# KiCad board reform2-keyboard.kicad_pcb (continued)
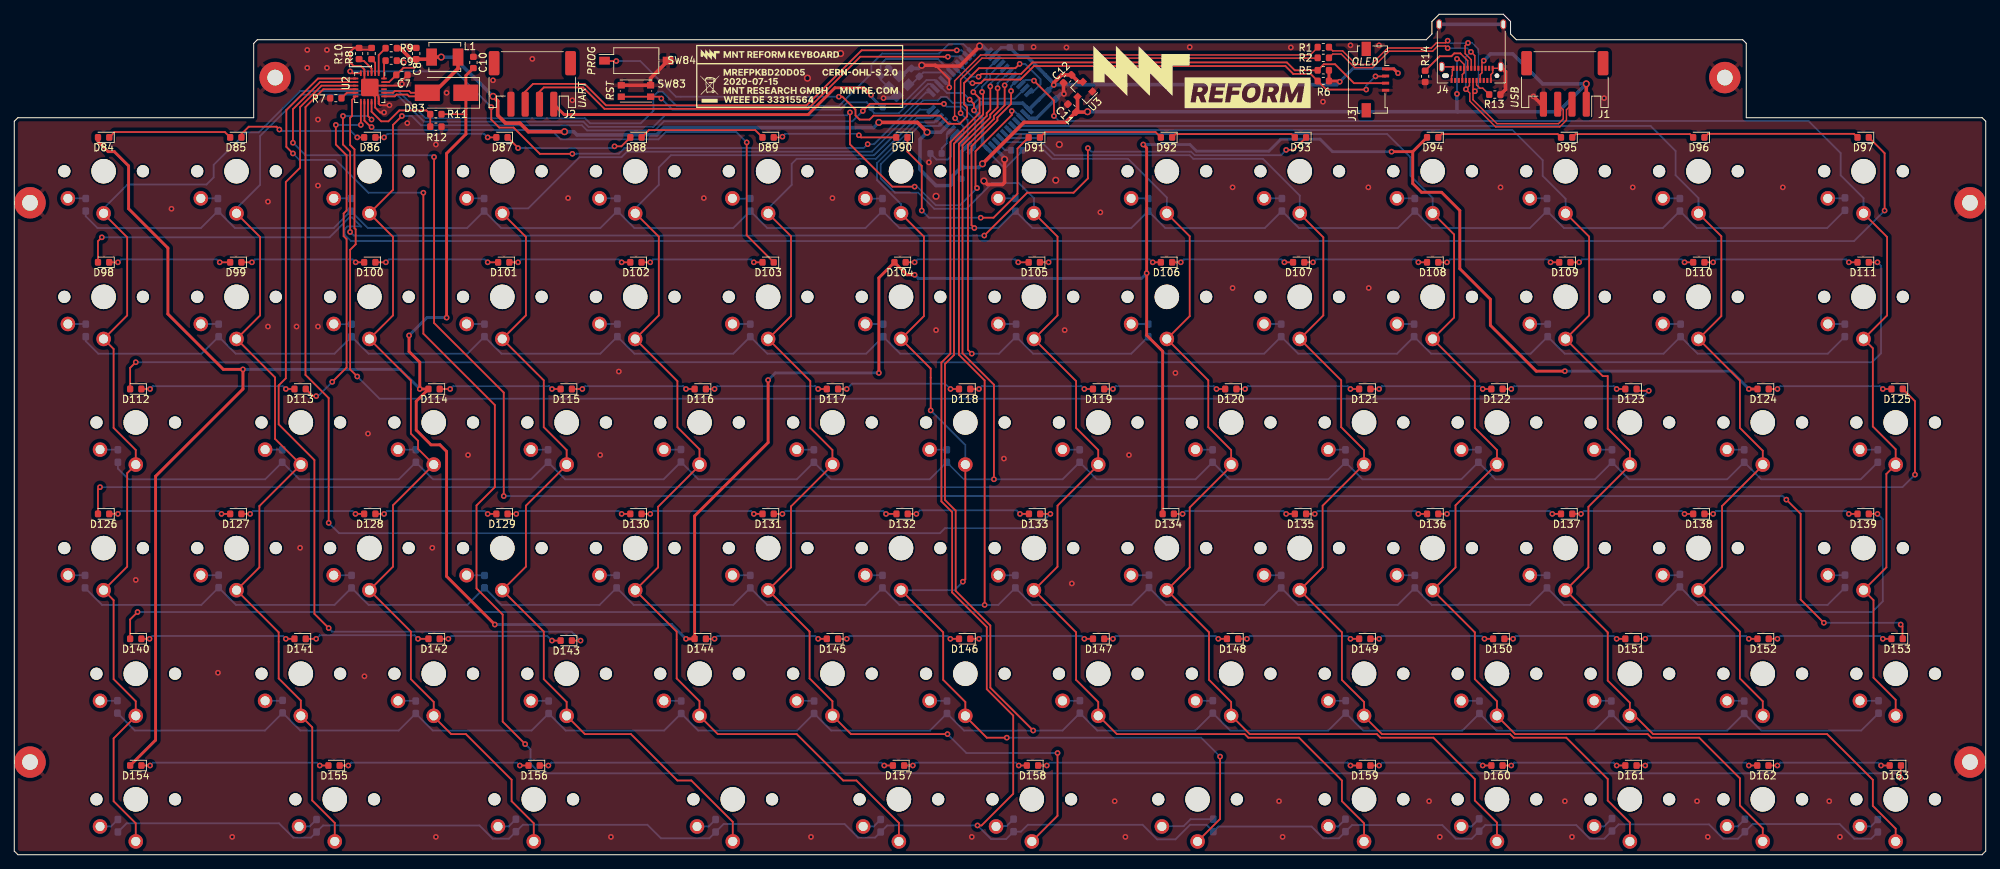
[diagram p0: board, top side]
## Nets
+3V3: C5.1 C6.1 C12.1 J2.1 J3.1 R3.1 R4.2 R5.1 R6.1 U1.14 U1.24 U1.34 U1.44 U3.2
+5V: C4.1 C7.1 C8.1 C11.1 J1.1 J4.A4 J4.A9 J4.B4 J4.B9 L1.1 R9.1 U1.2 U1.7 U2.23 U3.3
GND: C1.2 C2.2 C3.2 C4.2 C5.2 C6.2 C7.2 C8.2 C9.2 C10.2 C11.2 C12.2 H1.1 H2.1 H3.1 H4.1 H5.1 H6.1 J1.4 J2.4 J3.4 J4.A1 J4.A12 J4.B1 J4.B12 J4.S1 R7.2 R8.2 R10.2 R12.2 R13.1 R14.2 SW83.2 SW84.2 U1.5 U1.15 U1.23 U1.35 U1.43 U2.5 U2.17 U2.18 U2.22 U2.25 U3.1 Y1.2 Y1.4
/Reform KBD MCU/UD+: R1.1 U1.4
/Reform KBD MCU/UD-: R2.1 U1.3
COL1: SW1.1 SW2.1 SW3.1 SW4.1 SW5.1 SW6.1 U1.22
COL2: SW7.1 SW8.1 SW9.1 SW10.1 SW11.1 SW12.1 U1.36
COL3: SW13.1 SW14.1 SW15.1 SW16.1 SW17.1 SW18.1 U1.1
COL4: SW19.1 SW20.1 SW21.1 SW22.1 SW23.1 SW24.1 U1.32
COL5: SW25.1 SW26.1 SW27.1 SW28.1 SW29.1 SW30.1 U1.11
COL6: SW31.1 SW32.1 SW33.1 SW34.1 SW35.1 SW36.1 U1.10
COL7: SW37.1 SW38.1 SW39.1 SW40.1 SW41.1 SW42.1 U1.9
COL8: SW43.1 SW44.1 SW45.1 SW46.1 SW47.1 SW48.1 U1.8
COL9: SW49.1 SW50.1 SW51.1 SW52.1 SW53.1 SW54.1 U1.41
COL10: SW55.1 SW56.1 SW57.1 SW58.1 SW59.1 SW60.1 U1.40
COL11: SW61.1 SW62.1 SW63.1 SW64.1 SW65.1 SW66.1 U1.39
COL12: SW67.1 SW68.1 SW69.1 SW70.1 SW71.1 SW72.1 U1.38
COL13: SW73.1 SW74.1 SW75.1 SW76.1 SW77.1 U1.37
COL14: SW78.1 SW79.1 SW80.1 SW81.1 SW82.1 U1.31
D+: J1.3 J4.A6 J4.B6 R1.2
D-: J1.2 J4.A7 J4.B7 R2.2
DISP_SCL: J3.2 R6.2 U1.18
DISP_SDA: J3.3 R5.2 U1.19
PROG: SW84.1 U1.33
PWM: U1.12 U2.6
RESET: R3.2 SW83.1 U1.13
ROW1: D1.1 D7.1 D13.1 D19.1 D25.1 D31.1 D37.1 D43.1 D49.1 D55.1 D61.1 D67.1 D73.1 D78.1 U1.30
ROW2: D2.1 D8.1 D14.1 D20.1 D26.1 D32.1 D38.1 D44.1 D50.1 D56.1 D62.1 D68.1 D74.1 D79.1 U1.29
ROW3: D3.1 D9.1 D15.1 D21.1 D27.1 D33.1 D39.1 D45.1 D51.1 D57.1 D63.1 D69.1 D75.1 D80.1 U1.28
ROW4: D4.1 D10.1 D16.1 D22.1 D28.1 D34.1 D40.1 D46.1 D52.1 D58.1 D64.1 D70.1 D76.1 D81.1 U1.27
ROW5: D5.1 D11.1 D17.1 D23.1 D29.1 D35.1 D41.1 D47.1 D53.1 D59.1 D65.1 D71.1 D77.1 D82.1 U1.26
ROW6: D6.1 D12.1 D18.1 D24.1 D30.1 D36.1 D42.1 D48.1 D54.1 D60.1 D66.1 D72.1 U1.25
UART_RX: J2.2 U1.20
UART_TX: J2.3 U1.21
Net-(C1-Pad1): C1.1 U1.17 Y1.1
Net-(C2-Pad1): C2.1 U1.16 Y1.3
Net-(C3-Pad1): C3.1 U1.6
Net-(C9-Pad1): C9.1 U2.24
Net-(C10-Pad1): C10.1 D83.1 D84.2 D94.2 D104.2 D114.2 D124.2 D134.2 D144.2 D154.2 R11.1
Net-(D1-Pad2): D1.2 SW1.2
Net-(D2-Pad2): D2.2 SW2.2
Net-(D3-Pad2): D3.2 SW3.2
Net-(D4-Pad2): D4.2 SW4.2
Net-(D5-Pad2): D5.2 SW5.2
Net-(D6-Pad2): D6.2 SW6.2
Net-(D7-Pad2): D7.2 SW7.2
Net-(D8-Pad2): D8.2 SW8.2
Net-(D9-Pad2): D9.2 SW9.2
Net-(D10-Pad2): D10.2 SW10.2
Net-(D11-Pad2): D11.2 SW11.2
Net-(D12-Pad2): D12.2 SW12.2
Net-(D13-Pad2): D13.2 SW13.2
Net-(D14-Pad2): D14.2 SW14.2
Net-(D15-Pad2): D15.2 SW15.2
Net-(D16-Pad2): D16.2 SW16.2
Net-(D17-Pad2): D17.2 SW17.2
Net-(D18-Pad2): D18.2 SW18.2
Net-(D19-Pad2): D19.2 SW19.2
Net-(D20-Pad2): D20.2 SW20.2
Net-(D21-Pad2): D21.2 SW21.2
Net-(D22-Pad2): D22.2 SW22.2
Net-(D23-Pad2): D23.2 SW23.2
Net-(D24-Pad2): D24.2 SW24.2
Net-(D25-Pad2): D25.2 SW25.2
Net-(D26-Pad2): D26.2 SW26.2
Net-(D27-Pad2): D27.2 SW27.2
Net-(D28-Pad2): D28.2 SW28.2
Net-(D29-Pad2): D29.2 SW29.2
Net-(D30-Pad2): D30.2 SW30.2
Net-(D31-Pad2): D31.2 SW31.2
Net-(D32-Pad2): D32.2 SW32.2
Net-(D33-Pad2): D33.2 SW33.2
Net-(D34-Pad2): D34.2 SW34.2
Net-(D35-Pad2): D35.2 SW35.2
Net-(D36-Pad2): D36.2 SW36.2
Net-(D37-Pad2): D37.2 SW37.2
Net-(D38-Pad2): D38.2 SW38.2
Net-(D39-Pad2): D39.2 SW39.2
Net-(D40-Pad2): D40.2 SW40.2
Net-(D41-Pad2): D41.2 SW41.2
Net-(D42-Pad2): D42.2 SW42.2
Net-(D43-Pad2): D43.2 SW43.2
Net-(D44-Pad2): D44.2 SW44.2
Net-(D45-Pad2): D45.2 SW45.2
Net-(D46-Pad2): D46.2 SW46.2
Net-(D47-Pad2): D47.2 SW47.2
Net-(D48-Pad2): D48.2 SW48.2
Net-(D49-Pad2): D49.2 SW49.2
Net-(D50-Pad2): D50.2 SW50.2
Net-(D51-Pad2): D51.2 SW51.2
Net-(D52-Pad2): D52.2 SW52.2
Net-(D53-Pad2): D53.2 SW53.2
Net-(D54-Pad2): D54.2 SW54.2
Net-(D55-Pad2): D55.2 SW55.2
Net-(D56-Pad2): D56.2 SW56.2
Net-(D57-Pad2): D57.2 SW57.2
Net-(D58-Pad2): D58.2 SW58.2
Net-(D59-Pad2): D59.2 SW59.2
Net-(D60-Pad2): D60.2 SW60.2
Net-(D61-Pad2): D61.2 SW61.2
Net-(D62-Pad2): D62.2 SW62.2
Net-(D63-Pad2): D63.2 SW63.2
Net-(D64-Pad2): D64.2 SW64.2
Net-(D65-Pad2): D65.2 SW65.2
Net-(D66-Pad2): D66.2 SW66.2
Net-(D67-Pad2): D67.2 SW67.2
Net-(D68-Pad2): D68.2 SW68.2
Net-(D69-Pad2): D69.2 SW69.2
Net-(D70-Pad2): D70.2 SW70.2
Net-(D71-Pad2): D71.2 SW71.2
Net-(D72-Pad2): D72.2 SW72.2
Net-(D73-Pad2): D73.2 SW73.2
Net-(D74-Pad2): D74.2 SW74.2
Net-(D75-Pad2): D75.2 SW75.2
Net-(D76-Pad2): D76.2 SW76.2
Net-(D77-Pad2): D77.2 SW77.2
Net-(D78-Pad2): D78.2 SW78.2
Net-(D79-Pad2): D79.2 SW79.2
Net-(D80-Pad2): D80.2 SW80.2
Net-(D81-Pad2): D81.2 SW81.2
Net-(D82-Pad2): D82.2 SW82.2
Net-(D83-Pad2): D83.2 L1.2 U2.19 U2.20
Net-(D84-Pad1): D84.1 D85.2
Net-(D85-Pad1): D85.1 D86.2
Net-(D86-Pad1): D86.1 D87.2
Net-(D87-Pad1): D87.1 D88.2
Net-(D88-Pad1): D88.1 D89.2
Net-(D89-Pad1): D89.1 D90.2
Net-(D90-Pad1): D90.1 D91.2
Net-(D91-Pad1): D91.1 D92.2
Net-(D92-Pad1): D92.1 D93.2
Net-(D93-Pad1): D93.1 U2.15
Net-(D94-Pad1): D94.1 D95.2
Net-(D95-Pad1): D95.1 D96.2
Net-(D96-Pad1): D96.1 D97.2
Net-(D97-Pad1): D97.1 D98.2
Net-(D98-Pad1): D98.1 D99.2
Net-(D100-Pad1): D100.1 D101.2
Net-(D100-Pad2): D99.1 D100.2
Net-(D101-Pad1): D101.1 D102.2
Net-(D102-Pad1): D102.1 D103.2
Net-(D103-Pad1): D103.1 U2.14
Net-(D104-Pad1): D104.1 D105.2
Net-(D105-Pad1): D105.1 D106.2
Net-(D106-Pad1): D106.1 D107.2
Net-(D107-Pad1): D107.1 D108.2
Net-(D108-Pad1): D108.1 D109.2
Net-(D109-Pad1): D109.1 D110.2
Net-(D110-Pad1): D110.1 D111.2
Net-(D111-Pad1): D111.1 D112.2
Net-(D112-Pad1): D112.1 D113.2
Net-(D113-Pad1): D113.1 U2.13
Net-(D114-Pad1): D114.1 D115.2
Net-(D115-Pad1): D115.1 D116.2
Net-(D116-Pad1): D116.1 D117.2
Net-(D117-Pad1): D117.1 D118.2
Net-(D118-Pad1): D118.1 D119.2
Net-(D119-Pad1): D119.1 D120.2
Net-(D120-Pad1): D120.1 D121.2
Net-(D121-Pad1): D121.1 D122.2
Net-(D122-Pad1): D122.1 D123.2
Net-(D123-Pad1): D123.1 U2.12
Net-(D124-Pad1): D124.1 D125.2
Net-(D125-Pad1): D125.1 D126.2
Net-(D126-Pad1): D126.1 D127.2
Net-(D127-Pad1): D127.1 D128.2
Net-(D128-Pad1): D128.1 D129.2
Net-(D129-Pad1): D129.1 D130.2
Net-(D130-Pad1): D130.1 D131.2
Net-(D131-Pad1): D131.1 D132.2
Net-(D132-Pad1): D132.1 D133.2
Net-(D133-Pad1): D133.1 U2.10
Net-(D134-Pad1): D134.1 D135.2
Net-(D135-Pad1): D135.1 D136.2
Net-(D136-Pad1): D136.1 D137.2
Net-(D137-Pad1): D137.1 D138.2
Net-(D138-Pad1): D138.1 D139.2
Net-(D139-Pad1): D139.1 D140.2
Net-(D140-Pad1): D140.1 D141.2
Net-(D141-Pad1): D141.1 D142.2
Net-(D142-Pad1): D142.1 D143.2
Net-(D143-Pad1): D143.1 U2.9
Net-(D144-Pad1): D144.1 D145.2
Net-(D145-Pad1): D145.1 D146.2
Net-(D146-Pad1): D146.1 D147.2
Net-(D147-Pad1): D147.1 D148.2
Net-(D148-Pad1): D148.1 D149.2
Net-(D149-Pad1): D149.1 D150.2
Net-(D150-Pad1): D150.1 D151.2
Net-(D151-Pad1): D151.1 D152.2
Net-(D152-Pad1): D152.1 D153.2
Net-(D153-Pad1): D153.1 U2.8
Net-(D154-Pad1): D154.1 D155.2
Net-(D155-Pad1): D155.1 D156.2
Net-(D156-Pad1): D156.1 D157.2
Net-(D157-Pad1): D157.1 D158.2
Net-(D158-Pad1): D158.1 D159.2
Net-(D159-Pad1): D159.1 D160.2
Net-(D160-Pad1): D160.1 D161.2
Net-(D161-Pad1): D161.1 D162.2
Net-(D162-Pad1): D162.1 D163.2
Net-(D163-Pad1): D163.1 U2.7
Net-(J4-PadA5): J4.A5 R13.2
Net-(J4-PadA8): J4.A8
Net-(J4-PadB5): J4.B5 R14.1
Net-(J4-PadB8): J4.B8
Net-(R4-Pad1): R4.1 U1.42
Net-(R7-Pad1): R7.1 U2.11
Net-(R8-Pad1): R8.1 U2.2
Net-(R9-Pad2): R9.2 U2.1
Net-(R10-Pad1): R10.1 U2.3
Net-(R11-Pad2): R11.2 R12.1 U2.16
Net-(U2-Pad4): U2.4
Net-(U2-Pad21): U2.21

Pads without a net: J1 MP; J2 MP; J3 MP; J4 A2 A3 A10 A11 B2 B3 B10 B11

## Via types
v1: diameter 0.8, hole 0.4, Top to Bottom, 308 vias
v2: diameter 1, hole 0.6, Top to Bottom, 17 vias

## Routing (per net, layer and track width the routed paths; a pad name or vN(x,y) marks a point on that pad's centre or on a via; arc(x,y) is an arc through that point)
+3V3: length 165.6
  Top w0.25: v1(133.7,105.8) 134.31,105.19 v1(134.31,104.29)
  Top w0.4: J2.1 76.95,103.7 111.1,103.7 114.85,107.45 118.9,107.45 v1(119.9,106.45) ; R5.1 R6.1 185.4,108.4 v1(185.5,108.3) ; J3.1 193.05,110.1 v1(193.65,109.5)
  Top w0.5: v1(145.47,107.85) 145.47,108.15 146.58,109.26 C12.1 148.93,108.28 U3.2
  Bottom w0.25: v1(133.7,105.8) 132.77,106.72 130.53,106.72 129.42,107.83 U1.14 128.82,108.53 127.66,108.53 123.88,104.75 R3.1 ; 141.18,98.7 138.85,96.37 138.4,96.37 136.95,97.82 136.95,98.14 U1.44
  Bottom w0.4: v1(193.65,109.5) 193,110.15 187.35,110.15 v1(185.5,108.3) ; C5.1 138.12,113.1 U1.24 ; R3.1 121.39,104.75 119.9,106.24 v1(119.9,106.45)
  Bottom w0.5: v1(185.5,108.3) 185.1,107.9 145.62,107.9 144.3,109.22 ; C5.1 140.61,111.8 141.75,111.8 144.3,109.25 144.3,109.22 ; 144.3,109.22 145.47,108.06 v1(145.47,107.85) 143.41,105.79 143.4,105.79 U1.34 141.12,105.29 135.32,105.29 v1(134.31,104.29) 135.5,103.1 135.5,99.59 U1.44
+5V: length 236.9
  Top w0.2: v1(205.65,111.25) 205.4,111 J4.B9 205.4,109.55 205.15,109.3 J4.A4 ; v1(201.9,111.5) 202.13,111.5 202.9,110.73 J4.B4 202.9,109.55 202.65,109.3 J4.A9
  Top w0.25: C8.1 56.25,110.5 56,110.25 54.46,110.25 C7.1 52.46,108.25 U2.23
  Top w0.5: v2(121,102.6) 126.38,102.6 v2(127.75,101.22) ; v2(135.5,96.8) 141.3,102.6 147.11,102.6 C11.1 ; R9.1 54,113 55.54,111.46 C8.1 58.11,111.46 L1.1 v2(59.75,111.75) ; U3.3 148.8,106.19 148.8,104.29 C11.1 ; v2(67,106.25) 67.65,105.6 67.65,103.6 68.75,102.5 70.75,102.5 71.95,101.3 v2(77,101.3) ; v2(220,108) J1.1 ; C11.1 150.14,104.04 v2(150.2,104.1)
  Bottom w0.25: v1(201.9,111.5) v1(201.9,106.6)
  Bottom w0.5: v2(150.2,104.1) 202,104.1 ; 202,104.1 201.9,104.2 v1(201.9,106.6) ; 202,104.1 216.1,104.1 v2(220,108) 213.9,108 209.7,112.2 206.6,112.2 v1(205.65,111.25) ; C4.1 134.99,96.29 v2(135.5,96.8) ; C4.1 132.5,98.42 U1.2 ; C4.1 131.25,95.04 131.25,94 131,93.75 129,93.75 126.75,96 126.75,100.22 v2(127.75,101.22) 129.64,101.22 U1.7 ; v2(59.75,111.75) 61.5,111.75 v2(67,106.25) ; v2(121,102.6) 120.28,101.88 90.92,101.88 89.9,100.85 78.75,100.85 78.3,101.3 v2(77,101.3)
GND: length 107.5
  Top w0.2: J4.S1 207.82,110.18 J4.B12 206.9,109.55 206.65,109.3 J4.A1 ; J4.S1 201.19,110.39 J4.B1 201.25,110.03 201.25,109.18 201.22,109.18 201.15,109.11 J4.A12
  Top w0.25: U2.25 49,108.25 U2.5 49,110 48.5,110.5 47.5,110.5 47,111 47,112.5 47.54,113.04 R10.2 ; U2.25 50,107.75 U2.22 54,107.75 v1(54.25,108) 54.25,108.46 C7.2 ; U2.25 50.97,106.28 50.97,106.03 51,106 U2.18 51,105.2 51.2,105 v1(52.5,105) ; U2.25 49.75,106.95 50.5,106.2 U2.17 50.5,104.68 51.18,104 v1(51.75,104) ; v1(55.26,113.01) 55.29,113.04 C8.2 ; v1(130.85,107.5) 130.85,108.65 129,110.5 ; C9.2 54.28,111.25 v1(54.5,111.03) ; 48.25,112.79 49.75,112.79 R8.2
  Top w0.5: R13.1 208.7,107.21 208.7,109.72 J4.S1 ; v1(146.9,106.6) 146.84,106.66 C12.2 ; v2(135.7,94.4) 136.2,93.9 138.3,93.9 138.59,94.19 v2(138.59,97.42) ; v2(135.1,113.3) 132.3,110.5 129,110.5 128.9,110.6 v2(127,110.6) ; v1(212.6,106.25) 213.7,105.15 J1.4 ; SW84.2 89.05,108.8 SW83.2 SW83.2
  Bottom w0.25: v1(130.85,107.5) 130.85,107.64 U1.15 ; v1(128,97) 128.21,97.21 C3.2 129.06,97.4 130.65,97.4 131.08,97.83 131.08,100.4 U1.5
  Bottom w0.5: J4.S1 J4.S1 ; v1(146.9,106.6) 146.46,106.6 C6.2 143.04,103.17 142.1,103.17 U1.35 ; Y1.4 123.2,106 v1(121.65,106) ; U1.43 138.59,97.63 v2(138.59,97.42) ; U1.23 135.51,113.3 v2(135.1,113.3) ; v2(127,110.6) 126.56,110.16 C2.2 ; 125.5,110.16 125.26,110.16 124.18,109.08 Y1.2 123.53,109.08 C1.2
  vias: v1(17,38.5) v1(22,90.5) v1(28.5,25.5) v1(30.5,2.5) v1(35.5,91.5) v1(35.5,74) v1(39.5,74) v1(40,43) v1(41,112.75) v1(41,110.25) v1(42.5,103) v1(42.5,93.75) v1(42.5,74) v1(43.75,112.75) v1(43.75,110.25) v1(49,25) v1(49.5,59) v1(55,102.5) v1(58.5,43) v1(59,99.5) v1(59,2.5) v1(60.5,106.75) v1(63.5,56) v1(67,108.5) v1(72.5,111.5) v1(77.5,92) v1(78.1,105.7) v1(82,56) v1(83.5,2.5) v1(84.6,67.7) v1(96.5,92) v1(111.5,2.5) v1(114.5,92) v1(129,73.5) v1(134,2.5) v1(138.5,55.5) v1(142.65,113.15) v1(147,73.5) v1(147.25,113.1) v1(148,38) v1(152,90) v1(154,7.5) v1(155.5,2.5) v1(156,56) v1(162.5,67.5) v1(164.5,113.15) v1(170.5,93.5) v1(170.5,79.4) v1(177,7.5) v1(177.5,2.5) v1(178.65,113.1) v1(183.15,105.5) v1(187,113.4) v1(189.5,93.5) v1(189.55,79.4) v1(191,113.4) v1(198,7.5) v1(199.5,2.5) v1(208,93.5) v1(217,7.5) v1(218,2.5) v1(222.5,106) v1(226.5,93.5) v1(235.5,7.5) v1(237,2.5) v1(247.5,93.5) v1(254,7.5) v1(255.5,2.5) v2(111,108.8) v2(115.65,112.25) v2(129,92.25) v2(145.75,94.5) v2(146.25,99.5)
/Reform KBD MCU/UD+: length 61.5
  Top w0.2: 182.41,113.1 181.36,112.05 135.23,112.05 131.6,108.42 131.6,103.25 v1(131.68,103.18)
  Bottom w0.25: U1.4 132.85,101.04 132.85,102 v1(131.68,103.18)
/Reform KBD MCU/UD-: length 60.6
  Top w0.2: v1(132.44,103.9) 132.44,108.62 135.42,111.6 182.36,111.6 R2.1
  Bottom w0.25: v1(132.44,103.9) 133.42,102.92 133.42,100.47 U1.3
COL1: length 239.4
  Top w0.25: 12.5,90.55 12.5,89.8 15.8,86.5 15.8,75.56 SW2.1 13.9,70.86 13.9,59.8 17,56.7 SW3.1 15.8,53.46 15.8,40.36 SW4.1 13.9,35.66 13.9,24.6 17,21.5 17,19.4 13.9,16.3 13.9,7.5 17,4.4 SW6.1
  Bottom w0.25: 12.5,90.55 15.85,93.9 26.9,93.9 27.9,94.9 27.9,96.65 32.45,101.2 34.2,101.2 40,107 53.75,107 57.55,103.2 79.85,103.2 80.58,102.48 87.68,102.48 89.45,104.25 89.45,106.25 90.1,106.9 90.7,106.9 92.7,104.9 115.4,104.9 119.95,109.45 119.95,110.75 121.45,112.25 129.45,112.25 130.8,113.6 132.81,113.6 U1.22
COL2: length 245.2
  Top w0.25: v1(126,93.6) 122.88,93.6 116.95,99.53 v1(116.95,104) ; SW12.1 44.85,4.45 41.7,7.6 41.7,17.85 40.1,19.45 40.1,21.6 37,24.7 37,31.16 SW10.1 34.3,40.26 34.3,48.85 40.1,54.65 ; v1(139.6,104.2) 139.6,103.63 134.52,98.56 134.52,93.61 v1(134.74,93.4) ; SW9.1 36.49,58.27 36.49,66.87 SW8.1 34.4,75.56 34.4,86.55 31.1,89.85 31.1,90.55
  Bottom w0.25: v1(139.6,104.2) 139.94,104.2 U1.36 ; 31.1,90.55 34.4,93.85 34.4,100.69 40.21,106.5 53.54,106.5 57.34,102.7 79.64,102.7 80.37,101.97 89.43,101.97 91.06,103.6 116.55,103.6 v1(116.95,104) ; v1(126,93.6) 126.36,93.6 128.96,91 132.34,91 v1(134.74,93.4)
COL3: length 212.6
  Top w0.25: v1(118.75,104.2) 119.75,105.2 v1(130.1,105.2) ; SW18.1 72.7,4.4 69.6,7.5 69.6,10.5 63.2,16.9 61.15,16.9 58.7,19.35 58.7,21.4 55.5,24.6 55.5,31.26 SW16.1 53,40.36 53,48.96 SW15.1 56.5,56.86 56.5,58 55.5,59 55.5,66.46 SW14.1 53,75.56 53,86.56 SW13.1 53,93.16 53,102.25 v1(54.25,103.5)
  Bottom w0.25: v1(118.75,104.2) 117.3,102.75 90.91,102.75 89.64,101.47 80.16,101.47 79.44,102.2 56.93,102.2 55.62,103.5 v1(54.25,103.5) ; 134.17,98.74 U1.1 134.48,99.28 134.48,102.96 132.65,104.8 130.5,104.8 v1(130.1,105.2)
COL4: length 197.8
  Top w0.25: SW24.1 100.55,4.6 94.75,10.4 92.8,10.4 86.3,16.9 79.85,16.9 77.3,19.45 77.3,21.4 74.1,24.6 74.1,31.26 SW22.1 71.6,40.36 71.6,48.9 77.3,54.6 77.3,56.7 74.1,59.9 74.1,66.46 SW20.1 71.6,75.56 71.6,86.56 SW19.1
  Bottom w0.25: SW19.1 68.99,90.55 71.92,90.55 79.09,97.72 84.97,97.72 85.75,98.5 120,98.5 127.18,105.68 129.23,105.68 129.73,106.18 130.47,106.18 131.3,105.35 133,105.35 133.33,105.02 134.07,105.02 134.98,105.93 140,105.93 U1.32
COL5: length 170.3
  Top w0.25: 86.9,90.55 86.9,89.9 90.2,86.6 90.2,75.56 SW26.1 92.8,66.36 92.8,59.9 95.9,56.8 95.9,54.55 90.1,48.75 90.1,40.26 SW28.1 92.7,31.26 92.7,24.7 95.9,21.5 95.9,19.45 98.45,16.9 109.5,16.9 116,10.4 117.85,10.4 123.8,4.45 SW30.1
  Bottom w0.25: 86.9,90.55 90.2,93.85 90.2,96.3 91.9,98 120.31,98 126.71,104.4 U1.11
COL6: length 163
  Top w0.25: 105.5,90.55 105.5,89.85 108.7,86.65 108.7,75.46 SW32.1 111.4,66.36 111.4,59.8 114.5,56.7 114.5,54.6 108.7,48.8 108.7,40.26 SW34.1 111.3,31.26 111.3,24.7 114.5,21.5 114.5,19.5 117.1,16.9 v1(130.6,16.9) ; SW36.1 146,5.46 v1(146,14.25)
  Bottom w0.25: v1(130.6,16.9) 133.25,14.25 v1(146,14.25) ; 105.5,90.55 108.8,93.85 108.8,96.8 109.5,97.5 120.61,97.5 126.34,103.23 128.26,103.23 U1.10
COL7: length 159.9
  Top w0.25: v1(132.75,38.25) 133.1,38.6 SW39.1 ; 124.1,90.55 124.1,89.8 127.3,86.6 127.3,75.46 SW38.1 128.25,68.11 v1(128.25,62.25) ; v1(138.9,16.4) 136.1,16.4 133.1,19.4 133.1,21.4 130,24.5 130,31.16 SW40.1 ; SW42.1 168.75,5.01 v1(168.75,13.75)
  Bottom w0.25: 123.79,37.06 SW40.1 131.56,37.06 v1(132.75,38.25) ; v1(168.75,13.75) 166.1,16.4 v1(138.9,16.4) ; U1.9 128.76,102.6 126.41,102.6 120.75,96.94 120.75,94.5 124.1,91.15 124.1,90.55 ; SW39.1 133.1,57.4 v1(128.25,62.25)
COL8: length 172.9
  Top w0.25: SW48.1 188.9,4.4 185.8,7.5 185.8,10.4 179.8,16.4 172.69,16.4 172.19,16.9 154.3,16.9 151.7,19.5 151.7,21.4 148.6,24.5 148.6,31.16 SW46.1 146,40.36 146,48.9 151.7,54.6 151.7,56.7 148.6,59.8 148.6,66.36 SW44.1 146,75.56 146,86.6 142.7,89.9 142.7,90.55
  Bottom w0.25: 142.7,90.55 142.7,91.99 140.59,94.1 136.85,94.1 133.25,90.5 128.75,90.5 126.5,92.75 123.25,92.75 121.25,94.75 121.25,96.73 126.62,102.1 129.39,102.1 U1.8
COL9: length 160.9
  Top w0.25: 161.3,90.55 161.3,89.85 164.5,86.65 164.5,75.46 SW50.1 167.1,66.46 167.1,59.9 170.3,56.7 170.3,54.45 164.5,48.65 164.5,40.26 SW52.1 167.2,31.16 167.2,24.5 170.3,21.4 170.3,19.5 172.9,16.9 190.69,16.9 191.19,16.4 198.6,16.4 204.4,10.6 204.4,7.6 207.5,4.5 SW54.1
  Bottom w0.25: U1.41 138.65,99.84 142.96,99.84 145.3,97.5 155.87,97.5 161.3,92.07 161.3,90.55
COL10: length 179.5
  Top w0.25: SW60.1 226.1,4.5 223,7.6 223,10.6 217.2,16.4 209.84,16.4 209.34,16.9 191.4,16.9 188.9,19.4 188.9,21.4 185.8,24.5 185.8,31.16 SW58.1 183.1,40.26 183.1,48.9 188.9,54.7 188.9,56.7 185.7,59.9 185.7,66.46 SW56.1 183.2,75.56 183.2,86.5 179.9,89.8 179.9,90.55
  Bottom w0.25: 179.9,90.55 179.9,92.35 174.75,97.5 165,97.5 164.5,98 145.6,98 143.2,100.4 139.22,100.4 U1.40
COL11: length 198.8
  Top w0.25: 198.5,90.55 198.5,89.9 201.5,86.9 201.5,75.26 SW62.1 204.4,66.36 204.4,59.8 207.5,56.7 207.5,54.75 201.7,48.95 201.7,40.26 SW64.1 204.4,31.16 204.4,24.6 207.5,21.5 207.5,19.45 210.05,16.9 228.6,16.9 229.1,16.4 235.8,16.4 241.5,10.7 241.5,6.9 244.7,3.7 SW66.1
  Bottom w0.25: U1.39 139.78,100.97 192.13,100.97 195.4,97.7 195.4,95.1 198.5,92 198.5,90.55
COL12: length 217.3
  Top w0.25: 217.1,90.55 217.1,89.9 220.4,86.6 220.4,75.56 SW68.1 222.31,67.05 223,67.05 223,59.7 226.1,56.6 226.1,54.55 220.3,48.75 220.3,40.26 SW70.1 223,31.16 223,24.4 226.1,21.3 SW71.1 226.79,19.46 229.35,16.9 253.7,16.9 260.1,10.5 260.1,6.85 263.3,3.65 SW72.1
  Bottom w0.25: U1.38 140.35,101.53 209.67,101.53 213.9,97.3 213.9,95.1 217.1,91.9 217.1,90.55
COL13: length 188.2
  Top w0.25: 235.7,90.55 235.7,89.85 238.9,86.65 238.9,75.46 SW74.1 241.5,66.46 241.5,59.8 244.7,56.6 244.7,54.55 239,48.85 239,40.36 SW76.1 241.5,31.26 241.5,24.7 244.7,21.5 SW77.1
  Bottom w0.25: 235.7,90.55 235.7,92 232.5,95.2 232.5,98.6 229,102.1 140.91,102.1 U1.37
COL14: length 209
  Top w0.25: 258.8,90.55 258.8,89.85 262.1,86.55 262.1,75.56 SW79.1 260.1,70.96 260.1,60 263.3,56.8 263.3,54.65 262,53.35 262,40.26 SW81.1 260.2,35.66 260.2,24.8 263.3,21.7 SW82.1 ; v1(145.5,103.5) 145.5,105.65 v1(142.7,108.45)
  Bottom w0.25: U1.31 141.48,108.53 142.62,108.53 v1(142.7,108.45) ; v1(145.5,103.5) 146.2,102.8 251.1,102.8 255.6,98.3 255.6,95.19 258.8,91.99 258.8,90.55
D+: length 53.6
  Top w0.2: J4.A6 204.15,107.23 v1(204.41,106.96) 204.15,106.7 204.15,105.77 207.49,102.42 216.11,102.42 216.78,103.09 216.78,104.38 J1.3 ; v1(203.45,113.74) 203.05,113.34 203.05,112.24 203.9,111.39 J4.B6 ; v1(200.6,114.05) 200.3,113.75 199.03,113.75 198.31,113.03 192.21,113.03 189.91,110.72 187.79,110.72 185.89,112.62 184.51,112.62 R1.2
  Bottom w0.2: v1(200.6,114.05) 200.95,113.7 203.41,113.7 v1(203.45,113.74) 204.01,113.74 204.9,112.86 204.9,107.45 v1(204.41,106.96)
D-: length 51.8
  Top w0.2: J4.A7 203.65,107.75 v1(203.15,107.25) 203.7,106.7 203.7,105.58 207.31,101.97 216.29,101.97 217.22,102.91 217.22,104.38 J1.2 ; v1(203.86,112.49) 204.4,111.95 J4.B7 ; v1(200.6,113) 200.3,113.3 199.22,113.3 198.49,112.58 192.39,112.58 190.09,110.28 187.61,110.28 185.71,112.17 184.51,112.17 R2.2
  Bottom w0.2: v1(203.15,107.25) 203.15,111.79 v1(203.86,112.49) 203.35,113 v1(200.6,113)
DISP_SCL: length 64.6
  Top w0.25: J3.2 191.86,109.05 v1(190.5,109.05) ; v1(134.1,108.1) 135.25,108.1 135.75,108.6 140.81,108.6 142.71,110.5 177.89,110.5 178.99,109.4 ; 178.99,109.4 181.41,109.4 R6.2 183.61,107.2 v1(189.2,107.2) ; 178.99,109.4 179.01,109.4
  Bottom w0.25: v1(189.2,107.2) 189.2,107.75 v1(190.5,109.05) ; v1(134.1,108.1) 133.78,108.1 U1.18
DISP_SDA: length 63.1
  Top w0.25: J3.3 187.49,108.1 184.84,110.75 183.26,110.75 R5.2 179.2,109.9 178.1,111 142.5,111 140.9,109.4 135.35,109.4 v1(134.95,109)
  Bottom w0.25: U1.19 134.01,109 v1(134.95,109)
PROG: length 76.1
  Top w0.25: v1(115.4,106.2) 115.9,106.2 117.73,104.37 117.73,103.57 118.3,103 119.7,103 120.25,103.55 129.6,103.55 130.75,102.4 132.3,102.4 133.35,103.45 133.35,104.7 132.92,105.13 132.92,108.12 135,110.2 140.1,110.2 v1(140.7,110.8) ; SW84.1 82.65,111.2 v1(84.25,111.2)
  Bottom w0.25: v1(115.4,106.2) 92.6,106.2 87.6,111.2 v1(84.25,111.2) ; v1(140.7,110.8) 141.47,110.8 143.62,108.65 143.62,107.92 142.5,106.8 U1.33
PWM: length 92.3
  Top w0.25: v1(66.75,104.75) 66.75,103 67.88,101.87 69.88,101.87 73.55,98.2 v1(78.1,98.2) ; v1(47,109.75) 47.26,109.49 U2.6
  Bottom w0.25: v1(66.75,104.75) 61.75,109.75 v1(47,109.75) ; v1(78.1,98.2) 78.67,98.2 78.69,98.22 84.62,98.22 85.4,99 118.88,99 v1(119.43,99.55) 120.34,99.55 127.59,106.8 U1.12
RESET: length 47.9
  Top w0.25: SW83.1 SW83.1 90.3,106.2 v1(90.55,105.95)
  Bottom w0.25: v1(90.55,105.95) 92.1,104.4 115.61,104.4 116.63,105.43 119.29,105.43 R3.2 119.96,104.29 120.35,103.9 123.8,103.9 127.87,107.97 128.26,107.97 U1.13
ROW1: length 295.9
  Top w0.25: v1(134.36,87.8) 133.96,88.2 133.96,99.26 137.59,102.88 137.59,103.29 139.5,105.2 v1(139.5,107)
  Bottom w0.25: D1.1 10,89.45 11.65,87.8 26.11,87.8 D7.1 30.88,87.8 44.72,87.8 D13.1 49.48,87.8 63.36,87.8 D19.1 68.14,87.8 82.02,87.8 D25.1 86.78,87.8 100.61,87.8 D31.1 105.39,87.8 119.11,87.8 D37.1 123.88,87.8 137.72,87.8 D43.1 142.49,87.8 156.31,87.8 D49.1 161.09,87.8 175.01,87.8 D55.1 179.78,87.8 193.62,87.8 D61.1 198.38,87.8 212.12,87.8 D67.1 216.88,87.8 230.72,87.8 D73.1 235.49,87.8 253.71,87.8 D78.1 ; v1(139.5,107) 139.5,107.69 U1.30
ROW2: length 313.9
  Top w0.25: v1(138.6,107.8) 138.6,105.01 137.09,103.5 137.09,103.09 133.46,99.46 133.46,70.74 v1(134,70.2)
  Bottom w0.25: U1.29 138.6,107.92 v1(138.6,107.8) ; D2.1 10,71.95 11.75,70.2 26.21,70.2 D8.1 30.98,70.2 44.81,70.2 D14.1 49.59,70.2 63.42,70.2 D20.1 68.19,70.2 82.02,70.2 D26.1 86.78,70.2 100.61,70.2 D32.1 105.39,70.2 119.22,70.2 D38.1 123.99,70.2 v1(134,70.2) 137.81,70.2 D44.1 142.59,70.2 156.31,70.2 D50.1 161.09,70.2 174.91,70.2 D56.1 179.69,70.2 193.51,70.2 D62.1 198.28,70.2 212.22,70.2 D68.1 216.99,70.2 230.81,70.2 D74.1 235.59,70.2 253.8,70.2 D79.1
ROW3: length 334.1
  Top w0.25: v1(137.1,52.6) 137.1,65.86 132.7,70.26 132.7,99.41 136.59,103.29 136.59,103.7 137.61,104.73 v1(137.61,107.39)
  Bottom w0.25: D80.1 258.42,52.6 244.49,52.6 D75.1 239.72,52.6 225.99,52.6 D69.1 221.22,52.6 207.28,52.6 D63.1 202.51,52.6 188.69,52.6 D57.1 183.91,52.6 170.09,52.6 D51.1 165.31,52.6 151.49,52.6 D45.1 146.72,52.6 v1(137.1,52.6) 132.88,52.6 D39.1 128.12,52.6 114.28,52.6 D33.1 109.52,52.6 95.72,52.6 D27.1 90.88,52.6 77.08,52.6 D21.1 72.31,52.6 58.59,52.6 D15.1 53.81,52.6 39.88,52.6 D9.1 35.12,52.6 16,52.6 14.5,54.1 D3.1 ; v1(137.61,107.39) 137.61,108.06 U1.28
ROW4: length 351.5
  Top w0.25: v1(135.8,35) 135.8,66.45 132.2,70.05 132.2,99.61 136.09,103.5 136.09,103.91 136.59,104.42 v1(136.59,107.64)
  Bottom w0.25: v1(136.59,107.64) 136.59,108.03 138.61,110.05 U1.27 ; D81.1 253.77,35 235.62,35 D76.1 230.57,35 216.88,35 D70.1 212.12,35 198.38,35 D64.1 193.62,35 179.69,35 D58.1 174.91,35 161.22,35 D52.1 156.38,35 142.49,35 D46.1 137.72,35 v1(135.8,35) 123.88,35 D40.1 119.11,35 105.39,35 D34.1 100.61,35 86.69,35 D28.1 81.92,35 68.19,35 D22.1 63.42,35 49.59,35 D16.1 44.81,35 31.02,35 D10.1 26.18,35 12.29,35 D4.1
ROW5: length 374.2
  Top w0.25: v1(142.6,17.4) 136.6,23.4 136.6,32.11 131.75,36.96 131.75,48.21 130.25,49.71 130.25,68.75 131.51,70.01 131.51,99.63 135.59,103.71 135.59,106.72 v1(135.44,106.87)
  Bottom w0.25: U1.26 136.58,109.29 136.58,108.72 135.44,107.59 v1(135.44,106.87) ; D5.1 16.87,17.4 35.08,17.4 D11.1 40.02,17.4 53.8,17.4 D17.1 58.57,17.4 72.4,17.4 D23.1 77.17,17.4 90.95,17.4 D29.1 95.72,17.4 109.55,17.4 D35.1 114.32,17.4 128.15,17.4 D41.1 132.92,17.4 v1(142.6,17.4) 146.7,17.4 D47.1 151.57,17.4 165.3,17.4 D53.1 170.17,17.4 183.9,17.4 D59.1 188.77,17.4 202.66,17.4 D65.1 207.44,17.4 221.12,17.4 D71.1 225.88,17.4 239.72,17.4 D77.1 244.49,17.4 258.48,17.4 D82.1
ROW6: length 382.3
  Top w0.25: v1(134.21,106.85) 135.09,105.98 135.09,103.92 131,99.83 131,70.21 129.75,68.96 129.75,49.5 131.25,48 131.25,36.75 136.1,31.9 136.1,23.19 139.8,19.49 139.8,8.53 135.37,4.1 v1(134.8,4.1)
  Bottom w0.25: v1(134.21,106.85) 134.21,107.12 136.08,108.98 136.08,109.92 U1.25 ; D72.1 259.87,2.25 257.5,2.25 255.45,4.3 243.28,4.3 D66.1 241.22,2.25 239.18,2.25 237.18,4.25 224.53,4.25 D60.1 222.53,2.25 220.5,2.25 218.6,4.15 205.87,4.15 D54.1 203.97,2.25 201.75,2.25 199.85,4.15 187.22,4.15 D48.1 185.37,2.3 183.2,2.3 181.56,3.94 168.51,3.94 D42.1 166.84,4.2 164.55,4.2 162.5,2.15 159.95,2.15 157.9,4.2 141.85,4.2 140.88,3.24 D36.1 138.81,2.2 136.7,2.2 v1(134.8,4.1) 122.17,4.1 D30.1 120.47,2.4 118.1,2.4 116.2,4.3 99.27,4.3 D24.1 97.27,2.3 90.5,2.3 88.6,4.2 71.17,4.2 D18.1 69.22,2.25 66.95,2.25 65.1,4.1 43.22,4.1 D12.1 41.52,2.4 39.05,2.4 37.05,4.4 15.71,4.4 D6.1
UART_RX: length 65.8
  Top w0.25: J2.2 73.5,106.9 74.1,107.5 79.6,107.5 82.6,104.5 111.09,104.5 118.39,111.8 v1(130.65,111.8)
  Bottom w0.25: v1(130.65,111.8) 130.71,111.86 132.28,111.86 U1.20
UART_TX: length 68.9
  Top w0.25: v1(131.9,112.7) 118.58,112.7 110.88,105 82.81,105 79.81,108 72.6,108 71.5,106.9 J2.3
  Bottom w0.25: v1(131.9,112.7) 132.58,112.7 U1.21
Net-(C1-Pad1): length 14.6
  Bottom w0.25: Y1.1 121.24,108.6 C1.1 121.24,110.74 122,111.5 129.25,111.5 U1.17
Net-(C2-Pad1): length 6.4
  Bottom w0.25: U1.16 130.02,109.6 127.21,109.6 C2.1 125.49,107.88 Y1.3
Net-(C3-Pad1): length 3.9
  Bottom w0.25: U1.6 130.5,100.95 130.5,99.68 129.79,98.96 C3.1
Net-(C9-Pad1): length 2.6
  Top w0.25: U2.24 51.75,108.76 51.75,111.04 C9.1
Net-(C10-Pad1): length 530.4
  Top w0.25: R11.1 63.15,103.75 63.2,103.7
  Top w0.4: C10.1 63.2,109.16 D83.1 63.2,100.95 60.5,98.25 v1(60.5,75.25) ; D154.2 19.78,16.06 19.78,53.03 32,65.25 v1(32,68) 29.25,68 21.5,75.75 21.5,85 16,90.5 16,96.5 14,98.5 13.14,98.5 11.71,99.92 D84.2 ; v1(94,30.25) D144.2 95.21,47.46 105.5,57.75 v1(105.5,66.5) ; v1(126,81.25) 124.93,81.25 D104.2 121,80.83 v1(121,67.5) ; 195.71,98.5 D94.2 ; 195.71,98.5 v1(192.75,98.5) ; 195.71,98.5 195.71,94.04 196.94,92.81 199.75,92.81 202.3,90.26 202.3,82.1 206.58,77.83 206.58,74.17 213,67.75 v1(217,67.75) ; v1(55.25,72.75) 55.25,70.5 56.75,69 v1(56.75,65.25) D114.2 56.25,63.54 56.25,59.5 58.32,57.43 59.57,57.43 60.5,56.5 60.5,39 v1(67.25,32.25) ; v1(242.75,65.25) D124.2 ; D134.2 160.71,70.54 158.47,72.78 v1(158.47,81.47) 158.47,99.03 v1(158,99.5)
  Bottom w0.4: v1(67.25,32.25) 92,32.25 v1(94,30.25) ; v1(60.5,75.25) 57.75,75.25 v1(55.25,72.75) ; v1(192.75,98.5) 184.5,98.5 182.75,100.25 177.25,100.25 175.58,98.58 165.45,98.58 164.52,99.5 v1(158,99.5) ; v1(56.75,65.25) 54,68 v1(32,68) ; v1(158.47,81.47) 157.75,80.75 126.5,80.75 v1(126,81.25) ; v1(242.75,65.25) 240.25,67.75 v1(217,67.75) ; v1(105.5,66.5) 106.5,67.5 v1(121,67.5)
Net-(D1-Pad2): length 2.5
  Bottom w0.25: SW1.2 9.97,91.96 D1.2
Net-(D2-Pad2): length 2.5
  Bottom w0.25: D2.2 9.97,74.36 SW2.2
Net-(D3-Pad2): length 2.5
  Bottom w0.25: D3.2 14.48,56.76 SW3.2
Net-(D4-Pad2): length 2.4
  Bottom w0.25: D4.2 9.88,39.16 SW4.2
Net-(D5-Pad2): length 2.4
  Bottom w0.25: D5.2 14.41,21.56 SW5.2
Net-(D6-Pad2): length 2.9
  Bottom w0.25: D6.2 13.52,3.96 SW6.2
Net-(D7-Pad2): length 2.4
  Bottom w0.25: SW7.2 28.48,91.96 D7.2
Net-(D8-Pad2): length 2.5
  Bottom w0.25: SW8.2 28.58,74.36 D8.2
Net-(D9-Pad2): length 2.4
  Bottom w0.25: D9.2 37.48,56.76 SW9.2
Net-(D10-Pad2): length 2.5
  Bottom w0.25: D10.2 28.59,39.16 SW10.2
Net-(D11-Pad2): length 2.5
  Bottom w0.25: SW11.2 37.48,21.56 D11.2
Net-(D12-Pad2): length 2.9
  Bottom w0.25: D12.2 41.33,3.96 SW12.2
Net-(D13-Pad2): length 2.4
  Bottom w0.25: D13.2 47.08,91.96 SW13.2
Net-(D14-Pad2): length 2.5
  Bottom w0.25: SW14.2 44.73,74.34 D14.2
Net-(D15-Pad2): length 2.5
  Bottom w0.25: D15.2 56.17,56.76 SW15.2
Net-(D16-Pad2): length 2.5
  Bottom w0.25: SW16.2 47.17,39.16 D16.2
Net-(D17-Pad2): length 2.5
  Bottom w0.25: SW17.2 56.16,21.56 D17.2
Net-(D18-Pad2): length 2.9
  Bottom w0.25: SW18.2 69.19,3.96 D18.2
Net-(D19-Pad2): length 2.5
  Bottom w0.25: D19.2 65.72,91.96 SW19.2
Net-(D20-Pad2): length 2.5
  Bottom w0.25: SW20.2 65.78,74.36 D20.2
Net-(D21-Pad2): length 2.4
  Bottom w0.25: SW21.2 74.67,56.76 D21.2
Net-(D22-Pad2): length 2.5
  Bottom w0.25: SW22.2 65.78,39.16 D22.2
Net-(D23-Pad2): length 2.5
  Bottom w0.25: D23.2 74.76,21.56 SW23.2
Net-(D24-Pad2): length 3.3
  Top w0.25: 95.9,4.4 95.9,3.99
  Bottom w0.25: 95.65,3.96 97.17,3.96 D24.2
Net-(D25-Pad2): length 2.5
  Bottom w0.25: D25.2 84.38,91.96 SW25.2
Net-(D26-Pad2): length 2.5
  Bottom w0.25: SW26.2 84.38,74.36 D26.2
Net-(D27-Pad2): length 2.4
  Bottom w0.25: SW27.2 93.28,56.76 D27.2
Net-(D28-Pad2): length 2.4
  Bottom w0.25: D28.2 84.28,39.16 SW28.2
Net-(D29-Pad2): length 2.4
  Bottom w0.25: D29.2 93.31,21.56 SW29.2
Net-(D30-Pad2): length 2.9
  Bottom w0.25: 118.75,3.96 120.28,3.96 D30.2
Net-(D31-Pad2): length 2.5
  Bottom w0.25: SW31.2 100.53,91.94 D31.2
Net-(D32-Pad2): length 2.5
  Bottom w0.25: SW32.2 102.97,74.36 D32.2
